# KiCad board ESC_Carrier.kicad_pcb
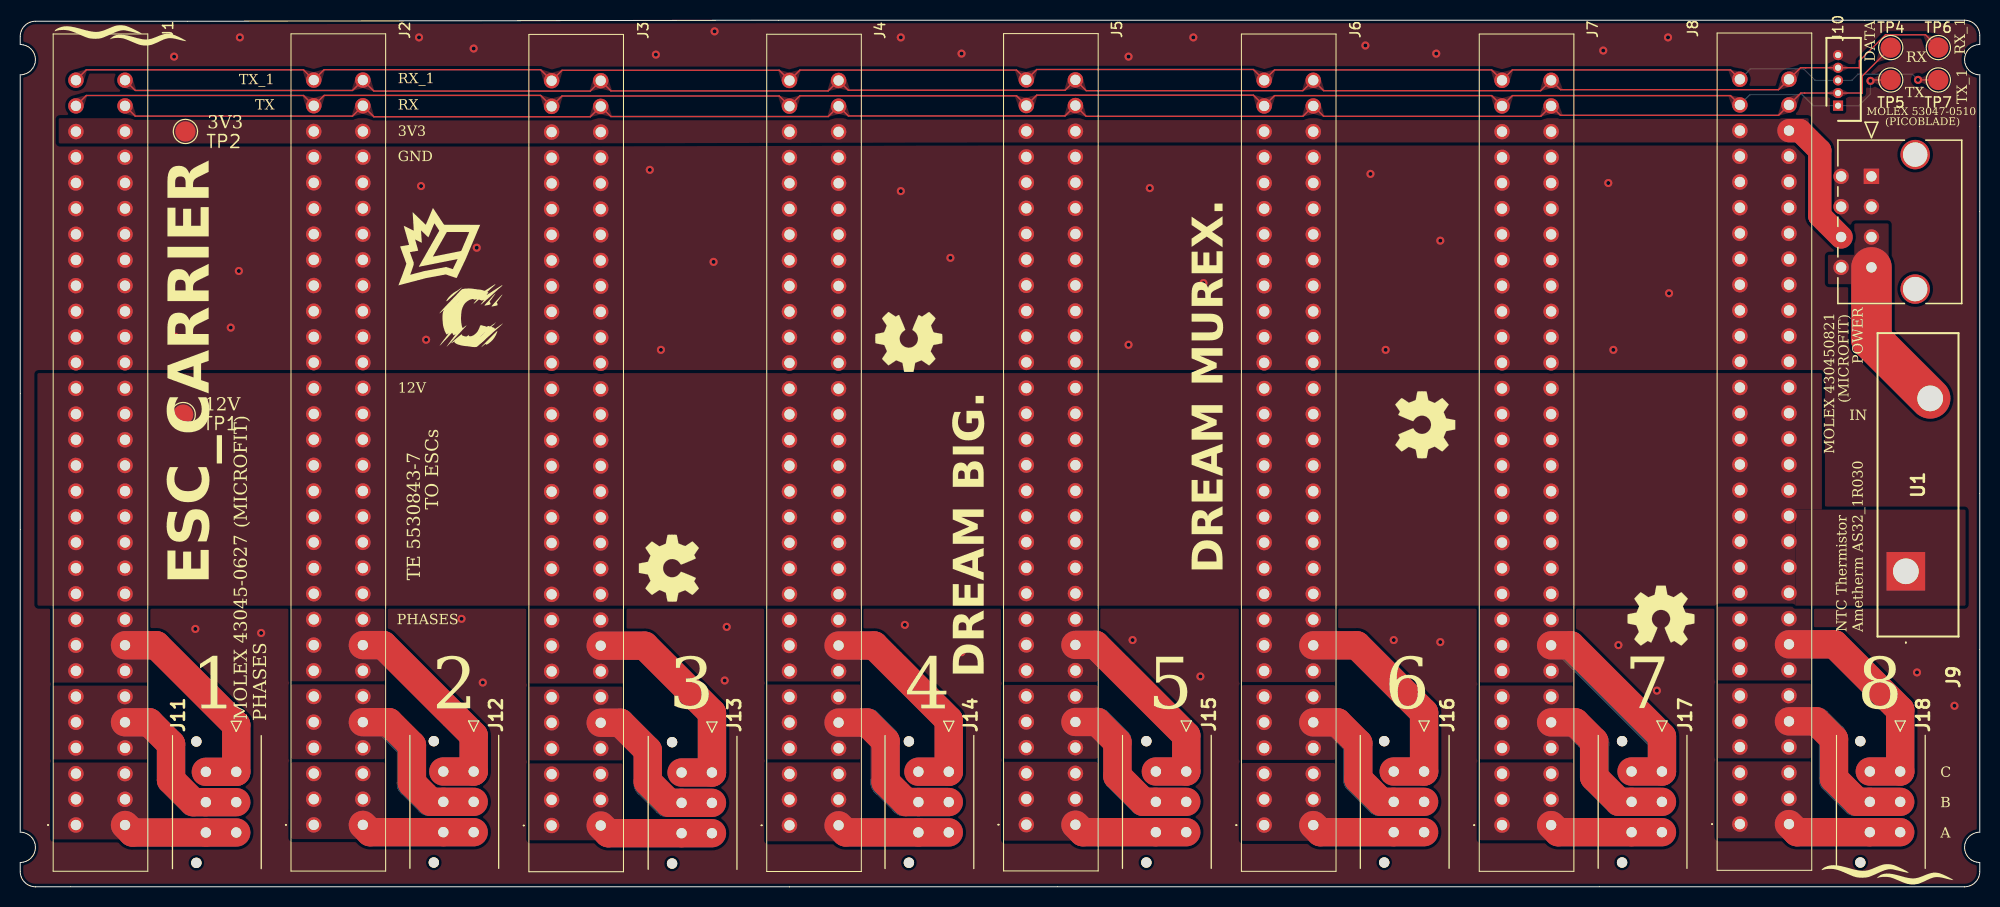
[diagram p0: board, top side]
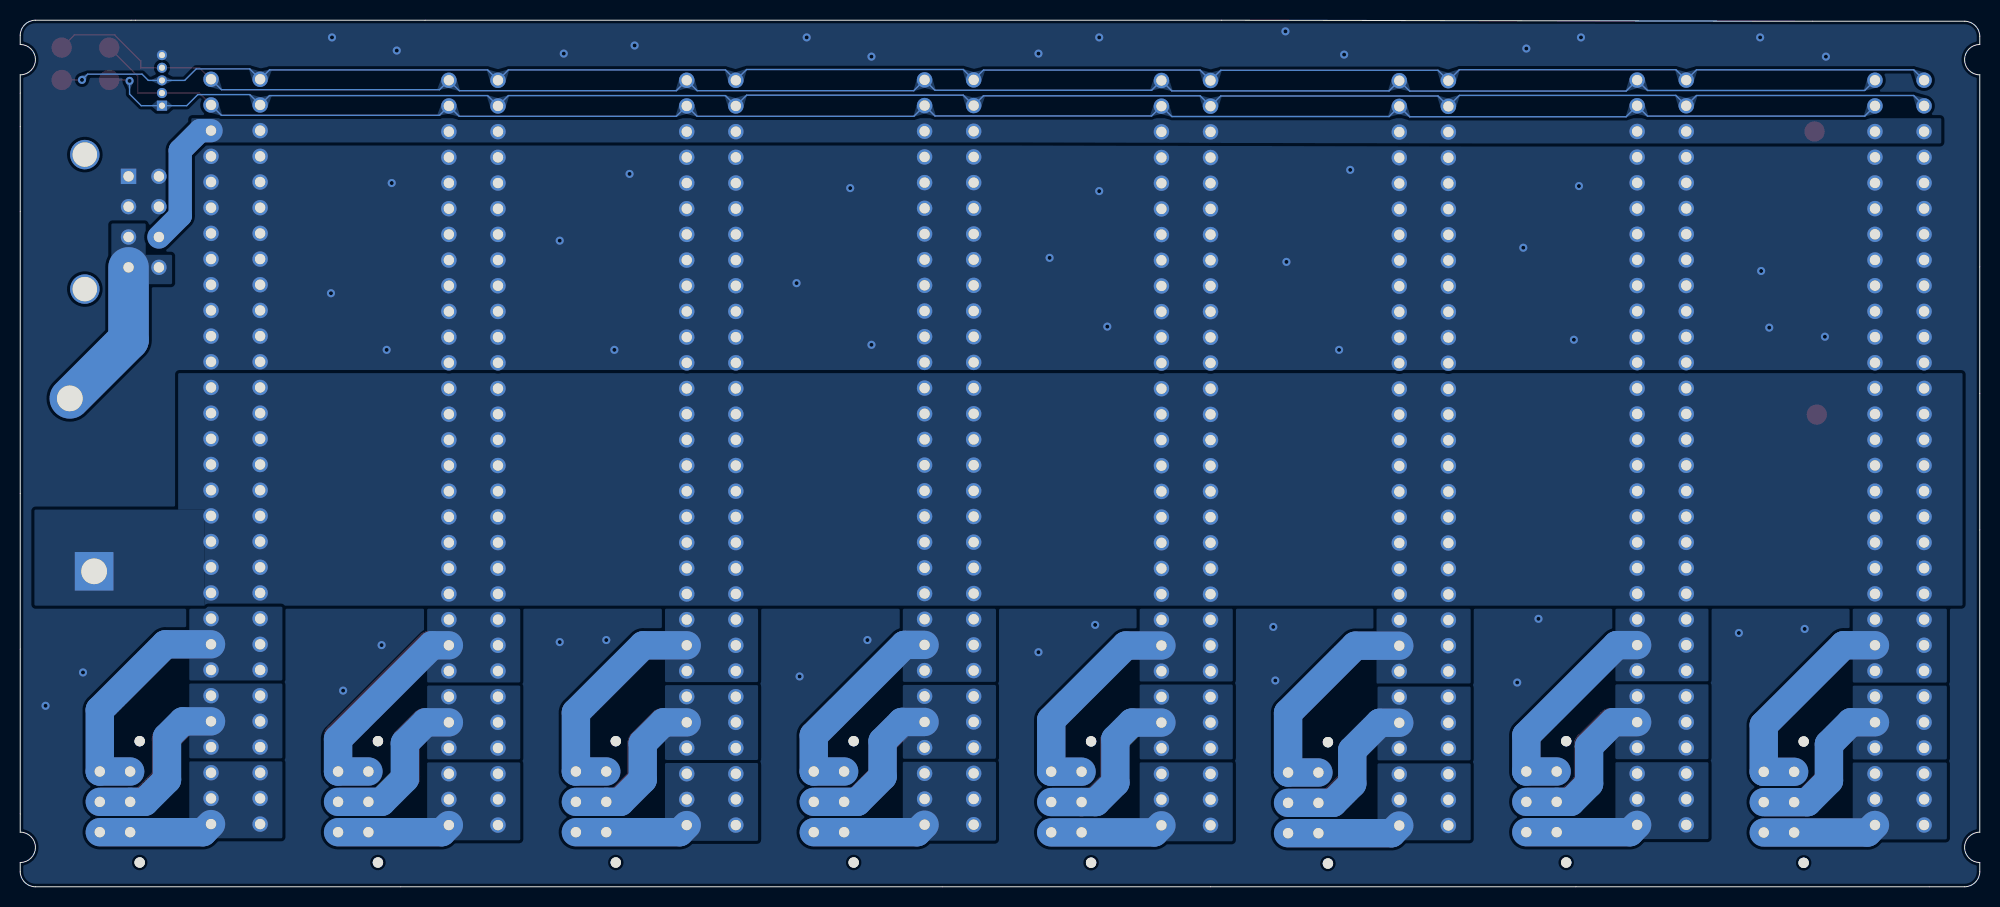
[diagram p1: board, bottom side, seen from below]

Outline 193.6 x 85.7 mm; copper layers: Top, Bottom. Coordinates in mm from the lower left corner of the outline.
Outline path: 0,84.1 0,83.3 arc(1.5,81.8) 0,80.3 0,5.4 arc(1.5,3.9) 0,2.4 0,1.5 arc(0.44,0.44) 1.5,0 192.1,0 arc(193.16,0.44) 193.6,1.5 193.6,2.4 arc(192.1,3.9) 193.6,5.4 193.6,80.3 arc(192.1,81.8) 193.6,83.3 193.6,84.2 arc(193.16,85.26) 192.1,85.7 74.9,85.7 16.5,85.6 1.5,85.6 arc(0.44,85.16) 0,84.1
Stack: Top 0.035mm / dielectric 1.51mm FR4 er 4.5 / Bottom 0.035mm

## Placement (name value [footprint] x y rotation side)
G***  -  [LOGO]  41.2 63.7 0 top
G***#2  -  [LOGO]  45.11 56.41 0 top
G***#3  -  [LOGO]  9.72 84.87 0 top
G***#4  -  [LOGO]  184.3 1.9 0 top
G***#5  -  [LOGO]  44.41 56.49 0 top
J1  5530843-7  [55308437]  5.5 6.11 90 top
J2  5530843-7  [55308437]  29 6.12 90 top
J3  5530843-7  [55308437]  52.5 6.06 90 top
J4  5530843-7  [55308437]  76 6.08 90 top
J5  5530843-7  [55308437]  99.4 6.14 90 top
J6  5530843-7  [55308437]  122.9 6.1 90 top
J7  5530843-7  [55308437]  146.4 6.1 90 top
J8  5530843-7  [55308437]  169.9 6.2 90 top
J9  Molex 53047-0510  [SHDR5W27P0X125_1X5_800X320X440P]  179.6 77.25 270 top
J10  Molex 430450821  [CON_430450821_MOL]  182.9 70.26 90 top
J11  Molex 43045-0627  [43045-06YY_272829]  21.34 11.37 90 top
J12  Molex 43045-0627  [43045-06YY_272829]  44.8 11.4 90 top
J13  Molex 43045-0627  [43045-06YY_272829]  68.34 11.3 90 top
J14  Molex 43045-0627  [43045-06YY_272829]  91.74 11.38 90 top
J15  Molex 43045-0627  [43045-06YY_272829]  115.2 11.4 90 top
J16  Molex 43045-0627  [43045-06YY_272829]  138.7 11.4 90 top
J17  Molex 43045-0627  [43045-06YY_272829]  162.2 11.4 90 top
J18  Molex 43045-0627  [43045-06YY_272829]  185.74 11.4 90 top
REF**  -  [OSHW-Symbol_6.7x6mm_SilkScreen]  138.8 45.7 270 top
REF**#2  -  [OSHW-Symbol_6.7x6mm_SilkScreen]  162.1 26.8 0 top
REF**#3  -  [OSHW-Symbol_6.7x6mm_SilkScreen]  87.8 53.9 180 top
REF**#4  -  [OSHW-Symbol_6.7x6mm_SilkScreen]  64.1 31.5 90 top
TP1  TestPoint  [TestPoint_Pad_D2.0mm]  16.1 46.7 0 top
TP2  TestPoint  [TestPoint_Pad_D2.0mm]  16.32 74.7 0 top
TP4  TestPoint  [TestPoint_Pad_D2.0mm]  184.81 82.99 0 top
TP5  TestPoint  [TestPoint_Pad_D2.0mm]  184.81 79.79 0 top
TP6  TestPoint  [TestPoint_Pad_D2.0mm]  189.51 82.99 0 top
TP7  TestPoint  [TestPoint_Pad_D2.0mm]  189.51 79.79 0 top
U1  AS32_1R030  [AS321R030]  186.3 31.2 90 top

## Library data of the parts
J1-J8 = -: Description: CONN SEC II 30 POS 100C/L; Arrow Price/Stock: https://www.arrow.com/en/products/5530843-7/te-connectivity; Height: 15.494; Manufacturer_Name: TE Connectivity; Mouser Part Number: 571-5530843-7; Mouser Price/Stock: https://www.mouser.co.uk/ProductDetail/TE-Connectivity/5530843-7?qs=CWN9I2qbSLtja0SlxvLT%2FQ%3D%3D
J9 = -: Description: Headers & Wire Housings VERTICAL HDR 5P; Arrow Part Number: 53047-0510; Arrow Price/Stock: https://www.arrow.com/en/products/53047-0510/molex?region=nac; Height: 4.4; Manufacturer_Name: Molex; Manufacturer_Part_Number: 53047-0510; Mouser Part Number: 538-53047-0510; Mouser Price/Stock: https://www.mouser.co.uk/ProductDetail/Molex/53047-0510?qs=KC2ywxza1koXSHAr3dqR%2FQ%3D%3D
J10 = -: Description: Generic connector, single row, 01x08, script generated (kicad-library-utils/schlib/autogen/connector/)
J11-J18 = -: Description: Micro-Fit 3.0 Vertical Header, 3.00mm Pitch, Dual Row, 6 Circuits, with PCB Polarizing Peg; Height: 9.91; Manufacturer_Name: Molex; Manufacturer_Part_Number: 43045-0627; Mouser Part Number: 538-43045-0627; Mouser Price/Stock: https://www.mouser.co.uk/ProductDetail/Molex/43045-0627?qs=pWIReIhcJCQaGZnxO2uFjA%3D%3D
TP1 TP2 TP4-TP7 = -: Description: test point
U1 = -: Description: Inrush Current Limiters 32mm 1ohms 30A INRSH CURR LIMITER; Height: 30; Manufacturer_Name: AMETHERM; Manufacturer_Part_Number: AS32 1R030; Mouser Part Number: 995-AS32-1R030; Mouser Price/Stock: https://www.mouser.co.uk/ProductDetail/Ametherm/AS32-1R030?qs=PVyXUKBeRH36hEJbGSKXOw%3D%3D

## Footprints (pads in the part's own frame, mm; a bottom-side part is the same pattern mirrored in y, then rotated)
43045-06YY_272829
  round 1.02 hole 1.02 unplated: (-9,3.94) (3,3.94)
  rect 1.52x1.52 hole 1.02: 1(0,0)
  round 1.52 hole 1.02: 2(-3,0) 3(-6,0) 4(0,3) 5(-3,3) 6(-6,3)
55308437
  round 1.524 hole 1.016: 1(0,0) 2(0,-4.851) 3(2.54,0) 4(2.54,-4.851) 5(5.08,0) 6(5.08,-4.851) 7(7.62,0) 8(7.62,-4.851) 9(10.16,0) 10(10.16,-4.851) 11(12.7,0) 12(12.7,-4.851) 13(15.24,0) 14(15.24,-4.851) 15(17.78,0) 16(17.78,-4.851) 17(20.32,0) 18(20.32,-4.851) 19(22.86,0) 20(22.86,-4.851) 21(25.4,0) 22(25.4,-4.851) 23(27.94,0) 24(27.94,-4.851) 25(30.48,0) 26(30.48,-4.851) 27(33.02,0) 28(33.02,-4.851) 29(35.56,0) 30(35.56,-4.851) 31(38.1,0) 32(38.1,-4.851) 33(40.64,0) 34(40.64,-4.851) 35(43.18,0) 36(43.18,-4.851) 37(45.72,0) 38(45.72,-4.851) 39(48.26,0) 40(48.26,-4.851) 41(50.8,0) 42(50.8,-4.851) 43(53.34,0) 44(53.34,-4.851) 45(55.88,0) 46(55.88,-4.851) 47(58.42,0) 48(58.42,-4.851) 49(60.96,0) 50(60.96,-4.851) 51(63.5,0) 52(63.5,-4.851) 53(66.04,0) 54(66.04,-4.851) 55(68.58,0) 56(68.58,-4.851) 57(71.12,0) 58(71.12,-4.851) 59(73.66,0) 60(73.66,-4.851)
AS321R030
  rect 3.81x3.81 hole 2.54: 1(0,0)
  round 3.81 hole 2.54: 2(17.1,-2.4)
CON_430450821_MOL
  rect 1.52x1.52 hole 1.02: 1(0,0)
  round 1.52 hole 1.02: 2(-3,0) 3(-6,0) 4(-9,0) 5(0,3) 6(-3,3) 7(-6,3) 8(-9,3)
  round 2.91 hole 2.41: P1(2.15,-4.32) P2(-11.15,-4.32)
SHDR5W27P0X125_1X5_800X320X440P
  rect 1x1 hole 0.6: 1(0,0)
  round 1 hole 0.6: 2(-1.25,0) 3(-2.5,0) 4(-3.75,0) 5(-5,0)
TestPoint_Pad_D2.0mm
  round 2 smd: 1(0,0)

## Nets
/3V3: J1.55 J1.56 J2.55 J2.56 J3.55 J3.56 J4.55 J4.56 J5.55 J5.56 J6.55 J6.56 J7.55 J7.56 J8.55 J8.56 J10.7 TP2.1
/12V: J1.19 J1.20 J1.21 J1.22 J1.23 J1.24 J1.25 J1.26 J1.27 J1.28 J1.29 J1.30 J1.31 J1.32 J1.33 J1.34 J1.35 J1.36 J2.19 J2.20 J2.21 J2.22 J2.23 J2.24 J2.25 J2.26 J2.27 J2.28 J2.29 J2.30 J2.31 J2.32 J2.33 J2.34 J2.35 J2.36 J3.19 J3.20 J3.21 J3.22 J3.23 J3.24 J3.25 J3.26 J3.27 J3.28 J3.29 J3.30 J3.31 J3.32 J3.33 J3.34 J3.35 J3.36 J4.19 J4.20 J4.21 J4.22 J4.23 J4.24 J4.25 J4.26 J4.27 J4.28 J4.29 J4.30 J4.31 J4.32 J4.33 J4.34 J4.35 J4.36 J5.19 J5.20 J5.21 J5.22 J5.23 J5.24 J5.25 J5.26 J5.27 J5.28 J5.29 J5.30 J5.31 J5.32 J5.33 J5.34 J5.35 J5.36 J6.19 J6.20 J6.21 J6.22 J6.23 J6.24 J6.25 J6.26 J6.27 J6.28 J6.29 J6.30 J6.31 J6.32 J6.33 J6.34 J6.35 J6.36 J7.19 J7.20 J7.21 J7.22 J7.23 J7.24 J7.25 J7.26 J7.27 J7.28 J7.29 J7.30 J7.31 J7.32 J7.33 J7.34 J7.35 J7.36 J8.19 J8.20 J8.21 J8.22 J8.23 J8.24 J8.25 J8.26 J8.27 J8.28 J8.29 J8.30 J8.31 J8.32 J8.33 J8.34 J8.35 J8.36 TP1.1 U1.1
/12Vin: J10.3 J10.4 J10.8 U1.2
GND: J1.37 J1.38 J1.39 J1.40 J1.41 J1.42 J1.43 J1.44 J1.45 J1.46 J1.47 J1.48 J1.49 J1.50 J1.51 J1.52 J1.53 J1.54 J2.37 J2.38 J2.39 J2.40 J2.41 J2.42 J2.43 J2.44 J2.45 J2.46 J2.47 J2.48 J2.49 J2.50 J2.51 J2.52 J2.53 J2.54 J3.37 J3.38 J3.39 J3.40 J3.41 J3.42 J3.43 J3.44 J3.45 J3.46 J3.47 J3.48 J3.49 J3.50 J3.51 J3.52 J3.53 J3.54 J4.37 J4.38 J4.39 J4.40 J4.41 J4.42 J4.43 J4.44 J4.45 J4.46 J4.47 J4.48 J4.49 J4.50 J4.51 J4.52 J4.53 J4.54 J5.37 J5.38 J5.39 J5.40 J5.41 J5.42 J5.43 J5.44 J5.45 J5.46 J5.47 J5.48 J5.49 J5.50 J5.51 J5.52 J5.53 J5.54 J6.37 J6.38 J6.39 J6.40 J6.41 J6.42 J6.43 J6.44 J6.45 J6.46 J6.47 J6.48 J6.49 J6.50 J6.51 J6.52 J6.53 J6.54 J7.37 J7.38 J7.39 J7.40 J7.41 J7.42 J7.43 J7.44 J7.45 J7.46 J7.47 J7.48 J7.49 J7.50 J7.51 J7.52 J7.53 J7.54 J8.37 J8.38 J8.39 J8.40 J8.41 J8.42 J8.43 J8.44 J8.45 J8.46 J8.47 J8.48 J8.49 J8.50 J8.51 J8.52 J8.53 J8.54 J9.5 J10.1 J10.2 J10.5 J10.6
/ESC1_PHASEA: J1.1 J1.2 J1.3 J1.4 J1.5 J1.6 J11.3 J11.6
/ESC1_PHASEB: J1.7 J1.8 J1.9 J1.10 J1.11 J1.12 J11.2 J11.5
/ESC1_PHASEC: J1.13 J1.14 J1.15 J1.16 J1.17 J1.18 J11.1 J11.4
/ESC2_PHASEA: J2.1 J2.2 J2.3 J2.4 J2.5 J2.6 J12.3 J12.6
/ESC2_PHASEB: J2.7 J2.8 J2.9 J2.10 J2.11 J2.12 J12.2 J12.5
/ESC2_PHASEC: J2.13 J2.14 J2.15 J2.16 J2.17 J2.18 J12.1 J12.4
/ESC3_PHASEA: J3.1 J3.2 J3.3 J3.4 J3.5 J3.6 J13.3 J13.6
/ESC3_PHASEB: J3.7 J3.8 J3.9 J3.10 J3.11 J3.12 J13.2 J13.5
/ESC3_PHASEC: J3.13 J3.14 J3.15 J3.16 J3.17 J3.18 J13.1 J13.4
/ESC4_PHASEA: J4.1 J4.2 J4.3 J4.4 J4.5 J4.6 J14.3 J14.6
/ESC4_PHASEB: J4.7 J4.8 J4.9 J4.10 J4.11 J4.12 J14.2 J14.5
/ESC4_PHASEC: J4.13 J4.14 J4.15 J4.16 J4.17 J4.18 J14.1 J14.4
/ESC5_PHASEA: J5.1 J5.2 J5.3 J5.4 J5.5 J5.6 J15.3 J15.6
/ESC5_PHASEB: J5.7 J5.8 J5.9 J5.10 J5.11 J5.12 J15.2 J15.5
/ESC5_PHASEC: J5.13 J5.14 J5.15 J5.16 J5.17 J5.18 J15.1 J15.4
/ESC6_PHASEA: J6.1 J6.2 J6.3 J6.4 J6.5 J6.6 J16.3 J16.6
/ESC6_PHASEB: J6.7 J6.8 J6.9 J6.10 J6.11 J6.12 J16.2 J16.5
/ESC6_PHASEC: J6.13 J6.14 J6.15 J6.16 J6.17 J6.18 J16.1 J16.4
/ESC7_PHASEA: J7.1 J7.2 J7.3 J7.4 J7.5 J7.6 J17.3 J17.6
/ESC7_PHASEB: J7.7 J7.8 J7.9 J7.10 J7.11 J7.12 J17.2 J17.5
/ESC7_PHASEC: J7.13 J7.14 J7.15 J7.16 J7.17 J7.18 J17.1 J17.4
/ESC8_PHASEA: J8.1 J8.2 J8.3 J8.4 J8.5 J8.6 J18.3 J18.6
/ESC8_PHASEB: J8.7 J8.8 J8.9 J8.10 J8.11 J8.12 J18.2 J18.5
/ESC8_PHASEC: J8.13 J8.14 J8.15 J8.16 J8.17 J8.18 J18.1 J18.4
/RX: J1.58 J2.58 J3.58 J4.58 J5.58 J6.58 J7.58 J8.58 J9.2 TP4.1
/RX_1: J1.60 J2.60 J3.60 J4.60 J5.60 J6.60 J7.60 J8.60 J9.4 TP6.1
/TX: J1.57 J2.57 J3.57 J4.57 J5.57 J6.57 J7.57 J8.57 J9.1 TP5.1
/TX_1: J1.59 J2.59 J3.59 J4.59 J5.59 J6.59 J7.59 J8.59 J9.3 TP7.1

Pads without a net: J10 P1 P2

## Via types
v1: diameter 0.8, hole 0.4, Top to Bottom, 53 vias

## Routing (per net, layer and track width the routed paths; a pad name or vN(x,y) marks a point on that pad's centre or on a via; arc(x,y) is an arc through that point)
/3V3: length 26.6
  Top w0.25: 16.31,74.69 TP2.1
  Top w2.3: J10.7 177.79,66.37 177.79,72.82 175.83,74.78 J8.56
  Bottom w2.3: J10.7 177.79,66.37 177.79,72.82 175.83,74.78 J8.56
/12Vin: length 30.7
  Top w4: U1.2 182.9,54.1 J10.4
  Bottom w4: J10.4 182.9,54.1 U1.2
GND:
  vias: v1(15.2,82.1) v1(15.3,54.4) v1(17.3,25.5) v1(20.8,55.3) v1(21.6,60.9) v1(21.7,84) v1(23.8,25.1) v1(39.4,84) v1(39.6,69.3) v1(40.1,54.1) v1(43.6,26.5) v1(44.8,82.9) v1(45.1,63.2) v1(45.7,20.2) v1(62.2,70.9) v1(62.8,82.3) v1(63.3,53.1) v1(68.5,61.8) v1(68.6,84.6) v1(69.6,20.4) v1(69.8,25.7) v1(86.2,55.4) v1(87,84) v1(87,68.8) v1(87.4,25.9) v1(91.9,62.2) v1(93,82.4) v1(93,23.2) v1(109.5,82.1) v1(109.5,53.6) v1(109.9,24.4) v1(111.6,69.1) v1(115.9,84) v1(116.6,20.8) v1(116.9,59.7) v1(132.9,83.2) v1(133.4,70.5) v1(134.9,53.1) v1(135.7,24.4) v1(139.9,82.4) v1(140.3,63.9) v1(140.3,24.2) v1(156.4,82.7) v1(156.9,69.6) v1(157.4,53.1) v1(157.9,23.9) v1(161.7,19.4) v1(162.8,84) v1(162.9,58.7) v1(187.4,21.2) v1(191.1,17.9)
/ESC1_PHASEA: length 22.6
  Top w2.8: J1.2 11.09,5.37 J11.6 J11.3
  Bottom w2.8: J11.3 11.09,5.37 J1.2
/ESC1_PHASEB: length 32.7
  Top w2.8: J11.2 J11.5 17.1,8.37 14.9,10.57 14.9,14.1 12.73,16.27 J1.10
  Bottom w2.8: J1.10 12.73,16.27 14.9,14.1 14.9,10.5 17.03,8.37 J11.2
/ESC1_PHASEC: length 43.8
  Top w2.8: J1.16 13.44,23.89 21.34,15.99 J11.1 J11.4
  Bottom w2.8: J1.16 13.44,23.89 21.34,15.99 J11.1 J11.4
/ESC2_PHASEA: length 22.5
  Top w2.8: J12.3 J12.6 34.57,5.4 33.85,6.12
  Bottom w2.8: J12.3 34.57,5.4 33.85,6.12
/ESC2_PHASEB: length 32.8
  Top w2.8: J12.2 J12.5 40.56,8.4 38.7,10.26 38.7,14 36.42,16.28 33.85,16.28
  Bottom w2.8: J12.2 J12.5 40.4,8.4 38.6,10.2 38.6,13.9 36.22,16.28 33.85,16.28
/ESC2_PHASEC: length 42.4
  Top w2.8: J12.4 J12.1 44.8,14.96 35.86,23.9 33.85,23.9
  Bottom w2.8: 33.85,23.9 35.86,23.9 44.8,14.96 J12.1 J12.4
/ESC3_PHASEA: length 22.6
  Top w2.8: J13.3 J13.6 58.11,5.3 J3.2
  Bottom w2.8: J13.3 58.11,5.3 J3.2
/ESC3_PHASEB: length 32.3
  Top w2.8: J3.10 59.28,16.22 62,13.5 62,10.4 64.1,8.3 J13.5 J13.2
  Bottom w2.8: J13.2 63.9,8.3 62,10.2 62,13.5 59.28,16.22 J3.10
/ESC3_PHASEC: length 45.3
  Top w2.8: J3.16 61.69,23.84 68.34,17.19 J13.1 J13.4
  Bottom w2.8: J13.4 J13.1 68.34,17.19 61.69,23.84 J3.16
/ESC4_PHASEA: length 22.4
  Top w2.8: J4.2 81.55,5.38 J14.6 J14.3
  Bottom w2.8: J4.2 81.55,5.38 J14.3
/ESC4_PHASEB: length 33.2
  Top w2.8: J14.2 J14.5 87.5,8.38 85.5,10.38 85.5,14.4 83.66,16.24 J4.10
  Bottom w2.8: J14.2 J14.5 87.32,8.38 85.4,10.3 85.4,14.6 83.76,16.24 J4.10
/ESC4_PHASEC: length 44.1
  Top w2.8: J14.4 J14.1 91.74,16.49 84.37,23.86 J4.16
  Bottom w2.8: J14.4 J14.1 91.74,16.49 84.37,23.86 J4.16
/ESC5_PHASEA: length 22.5
  Top w2.8: J15.3 J15.6 104.99,5.4 J5.2
  Bottom w2.8: J5.2 104.99,5.4 J15.3
/ESC5_PHASEB: length 32.5
  Top w2.8: J5.10 106.4,16.3 108.4,14.3 108.4,10.96 110.96,8.4 J15.5 J15.2
  Bottom w2.8: J15.2 110.9,8.4 108.4,10.9 108.4,14.4 106.5,16.3 J5.10
/ESC5_PHASEC: length 42.4
  Top w2.8: J15.4 J15.1 115.2,14.96 106.24,23.92 J5.16
  Bottom w2.8: J5.16 106.24,23.92 115.2,14.96 J15.1 J15.4
/ESC6_PHASEA: length 22.5
  Top w2.8: J6.2 128.45,5.4 J16.6 J16.3
  Bottom w2.8: J6.2 128.45,5.4 J16.3
/ESC6_PHASEB: length 32.6
  Top w2.8: J6.10 130.14,16.26 132.2,14.2 132.2,10.66 134.46,8.4 J16.5 J16.2
  Bottom w2.8: J16.2 J16.5 134.3,8.4 132.1,10.6 132.1,14.2 130.04,16.26 J6.10
/ESC6_PHASEC: length 45.1
  Top w2.8: J16.4 J16.1 138.7,17.23 132.05,23.88 J6.16
  Bottom w2.8: J16.4 J16.1 138.7,17.23 132.05,23.88 J6.16
/ESC7_PHASEA: length 22.5
  Top w2.8: J7.2 151.95,5.4 J17.6 J17.3
  Bottom w2.8: J17.3 151.95,5.4 J7.2
/ESC7_PHASEB: length 32.5
  Top w2.8: J17.2 J17.5 157.96,8.4 155.5,10.86 155.5,14.4 153.64,16.26 J7.10
  Bottom w2.8: J7.10 153.54,16.26 155.6,14.2 155.6,10.7 157.9,8.4 J17.2
/ESC7_PHASEC: length 42.1
  Top w2.8: J17.4 J17.1 162.2,14.87 153.19,23.88 J7.16
  Bottom w2.8: J7.16 152.92,23.88 162.2,14.6 J17.1 J17.4
/ESC8_PHASEA: length 22.6
  Top w2.8: J18.3 J18.6 175.55,5.4 J8.2
  Bottom w2.8: J8.2 175.55,5.4 J18.3
/ESC8_PHASEB: length 33.3
  Top w2.8: J8.10 177.44,16.36 179.2,14.6 179.2,10.7 181.5,8.4 J18.5 J18.2
  Bottom w2.8: J18.2 J18.5 181.3,8.4 179.1,10.6 179.1,14.8 177.54,16.36 J8.10
/ESC8_PHASEC: length 45.5
  Top w2.8: J8.16 179.25,23.98 185.74,17.49 J18.1 J18.4
  Bottom w2.8: J8.16 179.25,23.98 185.74,17.49 J18.1 J18.4
/RX: length 354
  Top w0.13: TP4.1 182,80.19 182,78.5 J9.2 176.3,78.5 175.93,78.5 J8.58 173.72,76.29 152.18,76.29 J7.58 150.22,76.19 128.78,76.19 J6.58 126.72,76.19 105.32,76.19 J5.58 103.22,76.23 81.82,76.23 J4.58 79.82,76.17 58.36,76.17 J3.58 56.32,76.15 34.94,76.15 J2.58 32.82,76.21 11.37,76.21 J1.58
  Bottom w0.13: J8.58 173.72,76.29 152.18,76.29 J7.58 150.22,76.19 128.78,76.19 J6.58 126.72,76.19 105.32,76.19 J5.58 103.22,76.23 81.82,76.23 J4.58 79.82,76.17 58.36,76.17 J3.58 56.32,76.15 34.94,76.15 J2.58 32.82,76.21 11.37,76.21 J1.58
/RX_1: length 358.1
  Top w0.13: J1.60 11.37,78.75 32.82,78.75 J2.60 34.94,78.69 56.32,78.69 J3.60 58.36,78.71 79.82,78.71 J4.60 81.82,78.77 103.22,78.77 J5.60 105.32,78.73 126.72,78.73 J6.60 128.78,78.73 150.22,78.73 J7.60 152.18,78.83 173.72,78.83 J8.60 175.89,81 176.4,81 J9.4 181.7,81 181.7,81.67 184.28,84.26 188.24,84.26 TP6.1
  Bottom w0.13: J1.60 11.37,78.75 32.82,78.75 J2.60 34.94,78.69 56.32,78.69 J3.60 58.36,78.71 79.82,78.71 J4.60 81.82,78.77 103.22,78.77 J5.60 105.32,78.73 126.72,78.73 J6.60 128.78,78.73 150.22,78.73 J7.60 152.18,78.83 173.72,78.83 J8.60
/TX: length 358.2
  Top w0.13: v1(182.8,79.7) 182.89,79.79 TP5.1 ; J1.57 6.53,78.26 27.98,78.26 J2.57 30.03,78.27 51.41,78.27 J3.57 53.53,78.21 74.99,78.21 J4.57 77.03,78.23 98.43,78.23 J5.57 100.43,78.29 121.83,78.29 J6.57 123.93,78.25 145.37,78.25 J7.57 147.43,78.25 168.97,78.25 J8.57
  Bottom w0.13: J1.57 6.53,78.26 27.98,78.26 J2.57 30.03,78.27 51.41,78.27 J3.57 53.53,78.21 74.99,78.21 J4.57 77.03,78.23 98.43,78.23 J5.57 100.43,78.29 121.83,78.29 J6.57 123.93,78.25 145.37,78.25 J7.57 147.43,78.25 168.97,78.25 J8.57 170.93,78.35 176.05,78.35 177.15,77.25 J9.1 181.65,77.25 182.8,78.4 v1(182.8,79.7)
/TX_1: length 361.6
  Top w0.13: J1.59 6.53,80.8 27.98,80.8 J2.59 30.03,80.81 51.41,80.81 J3.59 53.53,80.75 74.99,80.75 J4.59 77.03,80.77 98.43,80.77 J5.59 100.43,80.83 121.83,80.83 J6.59 123.93,80.79 145.37,80.79 J7.59 147.43,80.79 168.97,80.79 J8.59 ; TP7.1 187.51,79.79 v1(187.5,79.8)
  Bottom w0.13: J1.59 6.53,80.8 27.98,80.8 J2.59 30.03,80.81 51.41,80.81 J3.59 53.53,80.75 74.99,80.75 J4.59 77.03,80.77 98.43,80.77 J5.59 100.43,80.83 121.83,80.83 J6.59 123.93,80.79 145.37,80.79 J7.59 147.43,80.79 168.97,80.79 J8.59 170.93,80.89 176.21,80.89 177.35,79.75 J9.3 180.95,79.75 181.56,80.36 186.94,80.36 v1(187.5,79.8)

## Copper pours and planes (outline as drawn; the poured copper is in the pictures)
/3V3 on Top, Bottom: 3.8,73.51 48.9,73.51 95.9,73.61 176.7,73.61 176.7,76.01 3.8,76.01
/12V on Top, Bottom: 192.2,27.8 192.2,37.3 175.4,37.3 175.4,27.8
/12V on Top, Bottom: 1.7,50.8 1.7,27.8 178,27.8 178,50.8
/12Vin on Top, Bottom: 181.2,65.6 181.2,62.5 178.6,62.5 178.6,59.6 184.6,59.6 184.6,65.6
GND on Top, Bottom: -1.6,88.1 -1.6,-2.3 203.9,-2.4 203.8,88
/ESC1_PHASEA on Top, Bottom: 3.25,12.29 3.25,4.69 12.55,4.69 12.55,12.29
/ESC1_PHASEB on Top, Bottom: 3.25,12.49 12.55,12.49 12.55,19.89 3.25,19.89
/ESC1_PHASEC on Top, Bottom: 3.25,27.69 3.25,20.09 12.55,20.09 12.55,27.69
/ESC2_PHASEA on Top, Bottom: 26.8,12.32 26.8,4.72 36,4.72 36,12.32
/ESC2_PHASEB on Top, Bottom: 26.8,20.02 26.8,12.52 36,12.52 36,20.02
/ESC2_PHASEC on Top, Bottom: 26.8,27.7 26.8,20.3 36,20.3 36,27.7
/ESC3_PHASEA on Top, Bottom: 50.3,12.2 50.3,4.6 59.5,4.6 59.5,12.2
/ESC3_PHASEB on Top, Bottom: 50.3,19.8 50.3,12.4 59.5,12.4 59.5,19.8
/ESC3_PHASEC on Top, Bottom: 50.3,27.7 50.3,20 59.6,20 59.6,27.7
/ESC4_PHASEA on Top, Bottom: 73.8,12.3 73.8,4.5 83,4.5 83,12.3
/ESC4_PHASEB on Top, Bottom: 73.8,20 73.8,12.5 83,12.5 83,20
/ESC4_PHASEC on Top, Bottom: 73.8,27.7 73.8,20.2 83,20.2 83,27.7
/ESC5_PHASEA on Top, Bottom: 97.2,12.36 97.2,4.56 106.4,4.56 106.4,12.36
/ESC5_PHASEB on Top, Bottom: 97.2,19.96 97.2,12.56 106.4,12.56 106.4,19.96
/ESC5_PHASEC on Top, Bottom: 97.2,27.76 97.2,20.16 106.4,20.16 106.4,27.76
/ESC6_PHASEA on Top, Bottom: 120.7,12.24 120.7,4.54 129.9,4.54 129.9,12.24
/ESC6_PHASEB on Top, Bottom: 120.7,19.94 120.7,12.44 129.9,12.44 129.9,19.94
/ESC6_PHASEC on Top, Bottom: 120.7,27.74 120.7,20.14 129.9,20.14 129.9,27.74
/ESC7_PHASEA on Top, Bottom: 144.2,12.3 144.2,4.6 153.4,4.6 153.4,12.3
/ESC7_PHASEB on Top, Bottom: 144.2,19.9 144.2,12.5 153.4,12.5 153.4,19.9
/ESC7_PHASEC on Top, Bottom: 144.2,27.7 144.2,20.1 153.4,20.1 153.4,27.7
/ESC8_PHASEA on Top, Bottom: 167.7,12.4 167.7,4.8 176.9,4.8 176.9,12.4
/ESC8_PHASEB on Top, Bottom: 167.7,20.1 167.7,12.6 176.9,12.6 176.9,20.1
/ESC8_PHASEC on Top, Bottom: 167.7,27.7 167.7,20.4 176.9,20.4 176.9,27.7

Small or netless copper shapes (teardrops, artwork), in the pictures only: 68 on Top, 64 on Bottom

## Text on the board
F.Silkscreen: MOLEX 53047-0510 | (PICOBLADE) | TX_1 | TX | PHASES | RX_1 | RX | 3V3 | GND | 12V | IN | C | B | A | NTC Thermistor | (MICROFIT) | POWER | Ametherm AS32_1R030 | DATA | MOLEX 43045-0627 (MICROFIT) | TE 5530843-7 | TO ESCs | DREAM BIG. | DREAM MUREX. | ESC_CARRIER | 1 | 2 | 3 | 4 | 5 | 6 | 7 | 8
